# KiCad board Lime_RFE.kicad_pcb (continued)
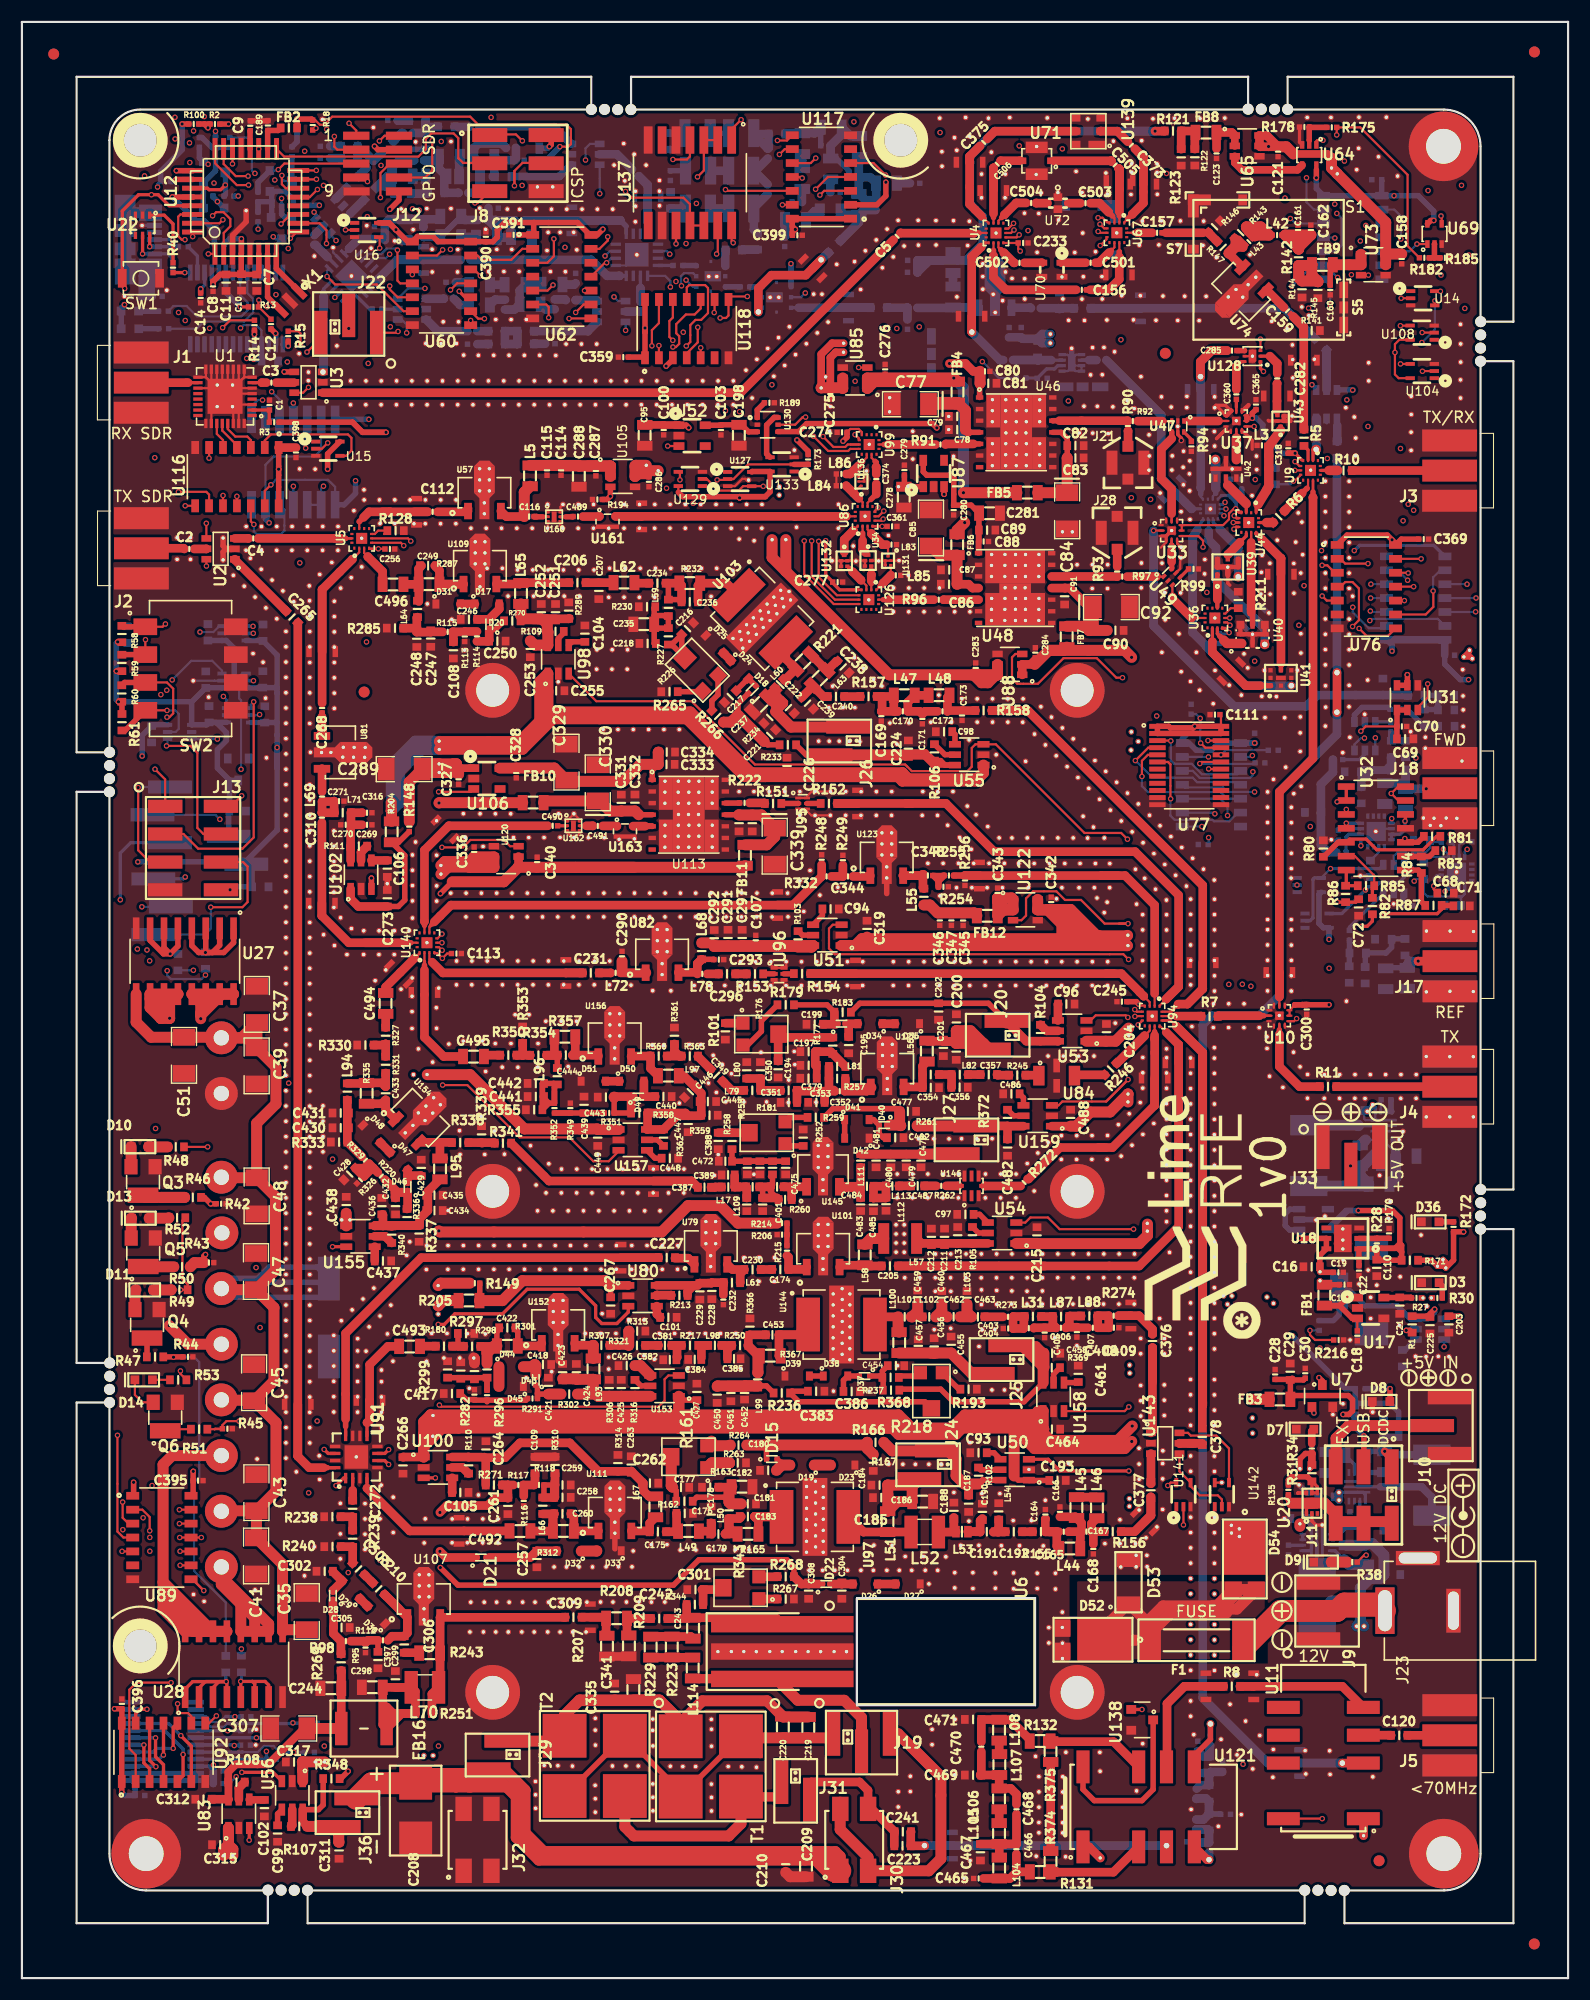
[diagram p0: board, top side]
## Placement (name value [footprint] x y rotation side) (continued)
GND_VIA#706  VAL**  [GND_VIA]  92.8 123.89 0 top
GND_VIA#707  VAL**  [GND_VIA]  92.8 124.9 0 top
GND_VIA#708  VAL**  [GND_VIA]  92.81 125.9 0 top
GND_VIA#709  VAL**  [GND_VIA]  89.71 125.9 0 top
GND_VIA#710  VAL**  [GND_VIA]  89.7 124.9 0 top
GND_VIA#711  VAL**  [GND_VIA]  89.7 123.89 0 top
GND_VIA#712  VAL**  [GND_VIA]  88.48 123.89 0 top
GND_VIA#713  VAL**  [GND_VIA]  88.48 124.9 0 top
GND_VIA#714  VAL**  [GND_VIA]  88.49 125.9 0 top
GND_VIA#715  VAL**  [GND_VIA]  58.69 105.21 0 top
GND_VIA#716  VAL**  [GND_VIA]  58.68 104.21 0 top
GND_VIA#717  VAL**  [GND_VIA]  58.68 103.2 0 top
GND_VIA#718  VAL**  [GND_VIA]  59.89 103.2 0 top
GND_VIA#719  VAL**  [GND_VIA]  59.89 104.21 0 top
GND_VIA#720  VAL**  [GND_VIA]  59.9 105.21 0 top
GND_VIA#721  VAL**  [GND_VIA]  63 105.21 0 top
GND_VIA#722  VAL**  [GND_VIA]  62.99 104.21 0 top
GND_VIA#723  VAL**  [GND_VIA]  62.99 103.2 0 top
GND_VIA#724  VAL**  [GND_VIA]  61.77 103.2 0 top
GND_VIA#725  VAL**  [GND_VIA]  61.77 104.21 0 top
GND_VIA#726  VAL**  [GND_VIA]  61.78 105.21 0 top
GND_VIA#727  VAL**  [GND_VIA]  60.87 105.21 0 top
GND_VIA#728  VAL**  [GND_VIA]  60.86 104.21 0 top
GND_VIA#729  VAL**  [GND_VIA]  60.86 103.2 0 top
GND_VIA#730  VAL**  [GND_VIA]  60.86 107.21 0 top
GND_VIA#731  VAL**  [GND_VIA]  60.86 108.22 0 top
GND_VIA#732  VAL**  [GND_VIA]  60.87 109.22 0 top
GND_VIA#733  VAL**  [GND_VIA]  61.78 109.22 0 top
GND_VIA#734  VAL**  [GND_VIA]  61.77 108.22 0 top
GND_VIA#735  VAL**  [GND_VIA]  61.77 107.21 0 top
GND_VIA#736  VAL**  [GND_VIA]  62.99 107.21 0 top
GND_VIA#737  VAL**  [GND_VIA]  62.99 108.22 0 top
GND_VIA#738  VAL**  [GND_VIA]  63 109.22 0 top
GND_VIA#739  VAL**  [GND_VIA]  59.9 109.22 0 top
GND_VIA#740  VAL**  [GND_VIA]  59.89 108.22 0 top
GND_VIA#741  VAL**  [GND_VIA]  59.89 107.21 0 top
GND_VIA#742  VAL**  [GND_VIA]  59.92 106.18 0 top
GND_VIA#743  VAL**  [GND_VIA]  60.83 106.18 0 top
GND_VIA#744  VAL**  [GND_VIA]  58.68 107.21 0 top
GND_VIA#745  VAL**  [GND_VIA]  58.68 108.22 0 top
GND_VIA#746  VAL**  [GND_VIA]  58.69 109.22 0 top
GND_VIA#747  VAL**  [GND_VIA]  61.74 106.18 0 top
GND_VIA#748  VAL**  [GND_VIA]  71.6 38.86 180 top
GND_VIA#749  VAL**  [GND_VIA]  71.6 39.86 180 top
GND_VIA#750  VAL**  [GND_VIA]  71.6 40.86 180 top
GND_VIA#751  VAL**  [GND_VIA]  71.6 43.86 180 top
GND_VIA#752  VAL**  [GND_VIA]  71.6 44.86 180 top
GND_VIA#753  VAL**  [GND_VIA]  71.6 41.86 180 top
GND_VIA#754  VAL**  [GND_VIA]  71.6 42.86 180 top
GND_VIA#755  VAL**  [GND_VIA]  72.43 42.35 180 top
GND_VIA#756  VAL**  [GND_VIA]  72.43 41.35 180 top
GND_VIA#757  VAL**  [GND_VIA]  72.43 44.35 180 top
GND_VIA#758  VAL**  [GND_VIA]  72.43 43.35 180 top
GND_VIA#759  VAL**  [GND_VIA]  72.42 40.35 180 top
GND_VIA#760  VAL**  [GND_VIA]  72.42 39.35 180 top
GND_VIA#761  VAL**  [GND_VIA]  73.12 38.86 180 top
GND_VIA#762  VAL**  [GND_VIA]  73.12 39.86 180 top
GND_VIA#763  VAL**  [GND_VIA]  73.12 40.86 180 top
GND_VIA#764  VAL**  [GND_VIA]  73.13 43.86 180 top
GND_VIA#765  VAL**  [GND_VIA]  73.13 44.86 180 top
GND_VIA#766  VAL**  [GND_VIA]  73.13 41.86 180 top
GND_VIA#767  VAL**  [GND_VIA]  73.13 42.86 180 top
GND_VIA#768  VAL**  [GND_VIA]  72.42 45.34 180 top
GND_VIA#769  VAL**  [GND_VIA]  74.84 62.91 180 top
GND_VIA#770  VAL**  [GND_VIA]  75.56 60.43 180 top
GND_VIA#771  VAL**  [GND_VIA]  75.56 59.43 180 top
GND_VIA#772  VAL**  [GND_VIA]  75.56 62.43 180 top
GND_VIA#773  VAL**  [GND_VIA]  75.56 61.43 180 top
GND_VIA#774  VAL**  [GND_VIA]  75.55 58.43 180 top
GND_VIA#775  VAL**  [GND_VIA]  75.55 57.43 180 top
GND_VIA#776  VAL**  [GND_VIA]  75.55 56.43 180 top
GND_VIA#777  VAL**  [GND_VIA]  74.85 56.92 180 top
GND_VIA#778  VAL**  [GND_VIA]  74.85 57.92 180 top
GND_VIA#779  VAL**  [GND_VIA]  74.86 60.92 180 top
GND_VIA#780  VAL**  [GND_VIA]  74.86 61.92 180 top
GND_VIA#781  VAL**  [GND_VIA]  74.86 58.92 180 top
GND_VIA#782  VAL**  [GND_VIA]  74.86 59.92 180 top
GND_VIA#783  VAL**  [GND_VIA]  74.03 60.43 180 top
GND_VIA#784  VAL**  [GND_VIA]  74.03 59.43 180 top
GND_VIA#785  VAL**  [GND_VIA]  74.03 62.43 180 top
GND_VIA#786  VAL**  [GND_VIA]  74.03 61.43 180 top
GND_VIA#787  VAL**  [GND_VIA]  74.03 58.43 180 top
GND_VIA#788  VAL**  [GND_VIA]  74.03 57.43 180 top
GND_VIA#789  VAL**  [GND_VIA]  74.03 56.43 180 top
GND_VIA#790  VAL**  [GND_VIA]  65.51 122.88 180 top
GND_VIA#791  VAL**  [GND_VIA]  64.89 122.25 180 top
GND_VIA#792  VAL**  [GND_VIA]  66.13 123.5 180 top
GND_VIA#793  VAL**  [GND_VIA]  67.37 124.76 180 top
GND_VIA#794  VAL**  [GND_VIA]  66.75 124.13 180 top
GND_VIA#795  VAL**  [GND_VIA]  69.24 126.64 180 top
GND_VIA#796  VAL**  [GND_VIA]  68.62 126.02 180 top
GND_VIA#797  VAL**  [GND_VIA]  68 125.39 180 top
GND_VIA#798  VAL**  [GND_VIA]  66.27 122.75 180 top
GND_VIA#799  VAL**  [GND_VIA]  65.65 122.13 180 top
GND_VIA#800  VAL**  [GND_VIA]  66.89 123.38 180 top
GND_VIA#801  VAL**  [GND_VIA]  68.13 124.64 180 top
GND_VIA#802  VAL**  [GND_VIA]  67.51 124.01 180 top
GND_VIA#803  VAL**  [GND_VIA]  70 126.52 180 top
GND_VIA#804  VAL**  [GND_VIA]  69.38 125.9 180 top
GND_VIA#805  VAL**  [GND_VIA]  68.76 125.27 180 top
GND_VIA#806  VAL**  [GND_VIA]  66.41 121.99 180 top
GND_VIA#807  VAL**  [GND_VIA]  65.79 121.36 180 top
GND_VIA#808  VAL**  [GND_VIA]  67.03 122.62 180 top
GND_VIA#809  VAL**  [GND_VIA]  68.27 123.88 180 top
GND_VIA#810  VAL**  [GND_VIA]  67.65 123.25 180 top
GND_VIA#811  VAL**  [GND_VIA]  70.14 125.76 180 top
GND_VIA#812  VAL**  [GND_VIA]  69.52 125.13 180 top
GND_VIA#813  VAL**  [GND_VIA]  68.9 124.5 180 top
GND_VIA#814  VAL**  [GND_VIA]  29.28 111.41 180 top
GND_VIA#815  VAL**  [GND_VIA]  29.33 112.31 180 top
GND_VIA#816  VAL**  [GND_VIA]  46.57 132.31 90 top
GND_VIA#817  VAL**  [GND_VIA]  52.15 132.31 90 top
GND_VIA#818  VAL**  [GND_VIA]  50.76 132.31 90 top
GND_VIA#819  VAL**  [GND_VIA]  52.17 134.48 90 top
GND_VIA#820  VAL**  [GND_VIA]  50.77 134.48 90 top
GND_VIA#821  VAL**  [GND_VIA]  49.37 134.48 90 top
GND_VIA#822  VAL**  [GND_VIA]  49.36 132.31 90 top
GND_VIA#823  VAL**  [GND_VIA]  53.55 132.31 90 top
GND_VIA#824  VAL**  [GND_VIA]  47.98 134.48 90 top
GND_VIA#825  VAL**  [GND_VIA]  47.96 132.31 90 top
GND_VIA#826  VAL**  [GND_VIA]  65.46 131.32 90 top
GND_VIA#827  VAL**  [GND_VIA]  66.81 131.17 90 top
GND_VIA#828  VAL**  [GND_VIA]  70.69 132.4 90 top
GND_VIA#829  VAL**  [GND_VIA]  70.88 134.49 90 top
GND_VIA#830  VAL**  [GND_VIA]  74.52 134.48 90 top
GND_VIA#831  VAL**  [GND_VIA]  74.51 132.31 90 top
GND_VIA#832  VAL**  [GND_VIA]  67.52 132.31 90 top
GND_VIA#833  VAL**  [GND_VIA]  67.53 134.48 90 top
GND_VIA#834  VAL**  [GND_VIA]  66.14 134.48 90 top
GND_VIA#835  VAL**  [GND_VIA]  66.12 132.31 90 top
GND_VIA#836  VAL**  [GND_VIA]  54.95 132.31 90 top
GND_VIA#837  VAL**  [GND_VIA]  54.96 134.48 90 top
GND_VIA#838  VAL**  [GND_VIA]  56.36 134.48 90 top
GND_VIA#839  VAL**  [GND_VIA]  57.75 134.48 90 top
GND_VIA#840  VAL**  [GND_VIA]  56.34 132.31 90 top
GND_VIA#841  VAL**  [GND_VIA]  57.74 132.31 90 top
GND_VIA#842  VAL**  [GND_VIA]  63.33 132.31 90 top
GND_VIA#843  VAL**  [GND_VIA]  61.93 132.31 90 top
GND_VIA#844  VAL**  [GND_VIA]  63.34 134.48 90 top
GND_VIA#845  VAL**  [GND_VIA]  61.95 134.48 90 top
GND_VIA#846  VAL**  [GND_VIA]  60.55 134.48 90 top
GND_VIA#847  VAL**  [GND_VIA]  60.54 132.31 90 top
GND_VIA#848  VAL**  [GND_VIA]  64.74 134.48 90 top
GND_VIA#849  VAL**  [GND_VIA]  64.73 132.31 90 top
GND_VIA#850  VAL**  [GND_VIA]  59.15 134.48 90 top
GND_VIA#851  VAL**  [GND_VIA]  59.14 132.31 90 top
GND_VIA#852  VAL**  [GND_VIA]  42.37 132.31 90 top
GND_VIA#853  VAL**  [GND_VIA]  43.77 132.31 90 top
GND_VIA#854  VAL**  [GND_VIA]  45.16 132.31 90 top
GND_VIA#855  VAL**  [GND_VIA]  40.97 132.31 90 top
GND_VIA#856  VAL**  [GND_VIA]  38.2 132.72 90 top
GND_VIA#857  VAL**  [GND_VIA]  38.22 134.89 90 top
GND_VIA#858  VAL**  [GND_VIA]  34.03 132.73 180 top
GND_VIA#859  VAL**  [GND_VIA]  34.03 134.89 90 top
GND_VIA#860  VAL**  [GND_VIA]  35.42 134.89 90 top
GND_VIA#861  VAL**  [GND_VIA]  36.82 134.89 90 top
GND_VIA#862  VAL**  [GND_VIA]  32.68 132.74 90 top
GND_VIA#863  VAL**  [GND_VIA]  36.81 132.72 90 top
GND_VIA#864  VAL**  [GND_VIA]  39.6 132.72 90 top
GND_VIA#865  VAL**  [GND_VIA]  39.61 134.89 90 top
GND_VIA#866  VAL**  [GND_VIA]  35.78 132.72 180 top
GND_VIA#867  VAL**  [GND_VIA]  30.3 133.91 90 top
GND_VIA#868  VAL**  [GND_VIA]  32.63 134.89 90 top
GND_VIA#869  VAL**  [GND_VIA]  31.23 134.89 90 top
GND_VIA#870  VAL**  [GND_VIA]  31.21 135.81 90 top
GND_VIA#871  VAL**  [GND_VIA]  20.45 130.29 90 top
GND_VIA#872  VAL**  [GND_VIA]  20.46 132.47 90 top
GND_VIA#873  VAL**  [GND_VIA]  26.04 130.29 90 top
GND_VIA#874  VAL**  [GND_VIA]  26.05 132.47 90 top
GND_VIA#875  VAL**  [GND_VIA]  21.85 130.29 90 top
GND_VIA#876  VAL**  [GND_VIA]  21.86 132.47 90 top
GND_VIA#877  VAL**  [GND_VIA]  23.26 132.47 90 top
GND_VIA#878  VAL**  [GND_VIA]  24.66 132.47 90 top
GND_VIA#879  VAL**  [GND_VIA]  23.25 130.29 90 top
GND_VIA#880  VAL**  [GND_VIA]  24.64 130.29 90 top
GND_VIA#881  VAL**  [GND_VIA]  27.44 130.29 90 top
GND_VIA#882  VAL**  [GND_VIA]  27.45 132.47 90 top
GND_VIA#883  VAL**  [GND_VIA]  28.85 132.47 90 top
GND_VIA#884  VAL**  [GND_VIA]  28.83 130.29 90 top
GND_VIA#885  VAL**  [GND_VIA]  30.63 54.44 180 top
GND_VIA#886  VAL**  [GND_VIA]  30.63 53.04 180 top
GND_VIA#887  VAL**  [GND_VIA]  28.46 54.45 180 top
GND_VIA#888  VAL**  [GND_VIA]  28.46 53.06 180 top
GND_VIA#889  VAL**  [GND_VIA]  28.46 51.66 180 top
GND_VIA#890  VAL**  [GND_VIA]  30.63 51.65 180 top
GND_VIA#891  VAL**  [GND_VIA]  28.46 55.85 180 top
GND_VIA#892  VAL**  [GND_VIA]  30.63 55.84 180 top
GND_VIA#893  VAL**  [GND_VIA]  30.63 57.23 180 top
GND_VIA#894  VAL**  [GND_VIA]  28.46 57.25 180 top
GND_VIA#895  VAL**  [GND_VIA]  28.46 58.64 180 top
GND_VIA#896  VAL**  [GND_VIA]  32.81 55.49 180 top
GND_VIA#897  VAL**  [GND_VIA]  32.81 54.43 180 top
GND_VIA#898  VAL**  [GND_VIA]  32.81 50.24 180 top
GND_VIA#899  VAL**  [GND_VIA]  32.81 51.63 180 top
GND_VIA#900  VAL**  [GND_VIA]  32.81 53.03 180 top
GND_VIA#901  VAL**  [GND_VIA]  30.64 58.35 180 top
GND_VIA#902  VAL**  [GND_VIA]  28.47 99.1 180 top
GND_VIA#903  VAL**  [GND_VIA]  28.47 97.7 180 top
GND_VIA#904  VAL**  [GND_VIA]  28.47 100.5 180 top
GND_VIA#905  VAL**  [GND_VIA]  28.47 101.9 180 top
GND_VIA#906  VAL**  [GND_VIA]  28.47 103.29 180 top
GND_VIA#907  VAL**  [GND_VIA]  28.47 104.69 180 top
GND_VIA#908  VAL**  [GND_VIA]  32.58 93.4 90 top
GND_VIA#909  VAL**  [GND_VIA]  31.18 93.4 90 top
GND_VIA#910  VAL**  [GND_VIA]  32.59 95.58 90 top
GND_VIA#911  VAL**  [GND_VIA]  31.19 95.58 90 top
GND_VIA#912  VAL**  [GND_VIA]  33.99 95.58 90 top
GND_VIA#913  VAL**  [GND_VIA]  33.98 93.4 90 top
GND_VIA#914  VAL**  [GND_VIA]  29.08 96.77 90 top
GND_VIA#915  VAL**  [GND_VIA]  27.53 95.22 90 top
GND_VIA#916  VAL**  [GND_VIA]  29.66 93.4 90 top
GND_VIA#917  VAL**  [GND_VIA]  30.07 95.78 90 top
GND_VIA#918  VAL**  [GND_VIA]  28.52 94.23 90 top
GND_VIA#919  VAL**  [GND_VIA]  35.33 95.59 90 top
GND_VIA#920  VAL**  [GND_VIA]  36.96 94.49 90 top
GND_VIA#921  VAL**  [GND_VIA]  42.23 75.16 90 top
GND_VIA#922  VAL**  [GND_VIA]  47.83 71.65 90 top
GND_VIA#923  VAL**  [GND_VIA]  45.41 73.81 90 top
GND_VIA#924  VAL**  [GND_VIA]  48.08 74.31 90 top
GND_VIA#925  VAL**  [GND_VIA]  46.41 75.96 90 top
GND_VIA#926  VAL**  [GND_VIA]  46.92 72.37 90 top
GND_VIA#927  VAL**  [GND_VIA]  39.98 75.16 90 top
GND_VIA#928  VAL**  [GND_VIA]  49.24 73.82 90 top
GND_VIA#929  VAL**  [GND_VIA]  49.23 71.65 90 top
GND_VIA#930  VAL**  [GND_VIA]  44.03 75.19 90 top
GND_VIA#931  VAL**  [GND_VIA]  50.62 71.65 90 top
GND_VIA#932  VAL**  [GND_VIA]  50.64 73.82 90 top
GND_VIA#933  VAL**  [GND_VIA]  52.03 73.82 90 top
GND_VIA#934  VAL**  [GND_VIA]  53.43 73.82 90 top
GND_VIA#935  VAL**  [GND_VIA]  52.02 71.65 90 top
GND_VIA#936  VAL**  [GND_VIA]  53.42 71.65 90 top
GND_VIA#937  VAL**  [GND_VIA]  59.01 71.65 90 top
GND_VIA#938  VAL**  [GND_VIA]  57.61 71.65 90 top
GND_VIA#939  VAL**  [GND_VIA]  59.02 73.82 90 top
GND_VIA#940  VAL**  [GND_VIA]  57.62 73.82 90 top
GND_VIA#941  VAL**  [GND_VIA]  56.22 73.82 90 top
GND_VIA#942  VAL**  [GND_VIA]  56.21 71.65 90 top
GND_VIA#943  VAL**  [GND_VIA]  60.41 73.82 90 top
GND_VIA#944  VAL**  [GND_VIA]  60.4 71.65 90 top
GND_VIA#945  VAL**  [GND_VIA]  54.83 73.82 90 top
GND_VIA#946  VAL**  [GND_VIA]  54.81 71.65 90 top
GND_VIA#947  VAL**  [GND_VIA]  43.11 77.31 90 top
GND_VIA#948  VAL**  [GND_VIA]  39.93 77.34 90 top
GND_VIA#949  VAL**  [GND_VIA]  63.75 58.82 90 top
GND_VIA#950  VAL**  [GND_VIA]  65.15 58.82 90 top
GND_VIA#951  VAL**  [GND_VIA]  62.35 58.82 90 top
GND_VIA#952  VAL**  [GND_VIA]  60.96 58.82 90 top
GND_VIA#953  VAL**  [GND_VIA]  59.56 58.82 90 top
GND_VIA#954  VAL**  [GND_VIA]  58.16 58.82 90 top
GND_VIA#955  VAL**  [GND_VIA]  51.41 58.82 90 top
GND_VIA#956  VAL**  [GND_VIA]  52.81 58.82 90 top
GND_VIA#957  VAL**  [GND_VIA]  54.21 58.82 90 top
GND_VIA#958  VAL**  [GND_VIA]  55.36 60.05 90 top
GND_VIA#959  VAL**  [GND_VIA]  56.76 60.05 90 top
GND_VIA#960  VAL**  [GND_VIA]  53.55 56.67 90 top
GND_VIA#961  VAL**  [GND_VIA]  53.55 55.57 90 top
GND_VIA#962  VAL**  [GND_VIA]  42.29 58.78 90 top
GND_VIA#963  VAL**  [GND_VIA]  40.66 58.81 90 top
GND_VIA#964  VAL**  [GND_VIA]  37.39 58.83 90 top
GND_VIA#965  VAL**  [GND_VIA]  38.79 58.83 90 top
GND_VIA#966  VAL**  [GND_VIA]  33.35 58.78 180 top
GND_VIA#967  VAL**  [GND_VIA]  31.4 57.21 180 top
GND_VIA#968  VAL**  [GND_VIA]  33.86 56.29 180 top
GND_VIA#969  VAL**  [GND_VIA]  36.93 56.29 180 top
GND_VIA#970  VAL**  [GND_VIA]  38.51 56.59 180 top
GND_VIA#971  VAL**  [GND_VIA]  39.96 56.59 180 top
GND_VIA#972  VAL**  [GND_VIA]  41.23 56.59 180 top
GND_VIA#973  VAL**  [GND_VIA]  101.05 78.88 180 top
GND_VIA#974  VAL**  [GND_VIA]  100.06 77.88 180 top
GND_VIA#975  VAL**  [GND_VIA]  99.07 76.89 180 top
GND_VIA#976  VAL**  [GND_VIA]  102.05 79.9 180 top
GND_VIA#977  VAL**  [GND_VIA]  97.64 74.71 90 top
GND_VIA#978  VAL**  [GND_VIA]  97.65 76.88 90 top
GND_VIA#979  VAL**  [GND_VIA]  99.04 74.71 90 top
GND_VIA#980  VAL**  [GND_VIA]  96.25 74.71 90 top
GND_VIA#981  VAL**  [GND_VIA]  94.85 74.71 90 top
GND_VIA#982  VAL**  [GND_VIA]  96.26 76.88 90 top
GND_VIA#983  VAL**  [GND_VIA]  94.86 76.88 90 top
GND_VIA#984  VAL**  [GND_VIA]  102.29 76.99 180 top
GND_VIA#985  VAL**  [GND_VIA]  101.3 76 180 top
GND_VIA#986  VAL**  [GND_VIA]  100.31 75.01 180 top
GND_VIA#987  VAL**  [GND_VIA]  93.66 76.26 180 top
GND_VIA#988  VAL**  [GND_VIA]  103.29 77.99 180 top
GND_VIA#989  VAL**  [GND_VIA]  87.93 73.37 90 top
GND_VIA#990  VAL**  [GND_VIA]  87.92 71.2 90 top
GND_VIA#991  VAL**  [GND_VIA]  90.72 73.37 90 top
GND_VIA#992  VAL**  [GND_VIA]  90.71 71.2 90 top
GND_VIA#993  VAL**  [GND_VIA]  89.33 73.37 90 top
GND_VIA#994  VAL**  [GND_VIA]  89.31 71.2 90 top
GND_VIA#995  VAL**  [GND_VIA]  79.88 73.37 90 top
GND_VIA#996  VAL**  [GND_VIA]  79.87 71.2 90 top
GND_VIA#997  VAL**  [GND_VIA]  85.45 71.2 90 top
GND_VIA#998  VAL**  [GND_VIA]  84.06 71.2 90 top
GND_VIA#999  VAL**  [GND_VIA]  85.47 73.37 90 top
GND_VIA#1000  VAL**  [GND_VIA]  84.07 73.37 90 top
GND_VIA#1001  VAL**  [GND_VIA]  82.67 73.37 90 top
GND_VIA#1002  VAL**  [GND_VIA]  82.66 71.2 90 top
GND_VIA#1003  VAL**  [GND_VIA]  81.28 73.37 90 top
GND_VIA#1004  VAL**  [GND_VIA]  81.26 71.2 90 top
GND_VIA#1005  VAL**  [GND_VIA]  31.31 43.3 180 top
GND_VIA#1006  VAL**  [GND_VIA]  31.31 39.11 180 top
GND_VIA#1007  VAL**  [GND_VIA]  31.31 40.51 180 top
GND_VIA#1008  VAL**  [GND_VIA]  31.31 41.9 180 top
GND_VIA#1009  VAL**  [GND_VIA]  26.68 42.11 180 top
GND_VIA#1010  VAL**  [GND_VIA]  29.06 40.53 180 top
GND_VIA#1011  VAL**  [GND_VIA]  26.68 39.36 180 top
GND_VIA#1012  VAL**  [GND_VIA]  29.06 43.33 180 top
GND_VIA#1013  VAL**  [GND_VIA]  29.06 38.26 180 top
GND_VIA#1014  VAL**  [GND_VIA]  102.1 51.29 180 top
GND_VIA#1015  VAL**  [GND_VIA]  102.1 52.69 180 top
GND_VIA#1016  VAL**  [GND_VIA]  102.1 54.08 180 top
GND_VIA#1017  VAL**  [GND_VIA]  104.25 54.13 180 top
GND_VIA#1018  VAL**  [GND_VIA]  104.25 52.74 180 top
GND_VIA#1019  VAL**  [GND_VIA]  104.25 51.34 180 top
GND_VIA#1020  VAL**  [GND_VIA]  104.1 42.76 180 top
GND_VIA#1021  VAL**  [GND_VIA]  104.1 45.56 180 top
GND_VIA#1022  VAL**  [GND_VIA]  104.1 46.96 180 top
GND_VIA#1023  VAL**  [GND_VIA]  101.95 46.91 180 top
GND_VIA#1024  VAL**  [GND_VIA]  101.95 45.51 180 top
GND_VIA#1025  VAL**  [GND_VIA]  101.95 42.71 180 top
GND_VIA#1026  VAL**  [GND_VIA]  103.58 41.17 180 top
GND_VIA#1027  VAL**  [GND_VIA]  102.59 40.18 180 top
GND_VIA#1028  VAL**  [GND_VIA]  98.83 39.65 90 top
GND_VIA#1029  VAL**  [GND_VIA]  101.62 39.65 90 top
GND_VIA#1030  VAL**  [GND_VIA]  100.23 39.65 90 top
GND_VIA#1031  VAL**  [GND_VIA]  100.2 41.82 90 top
GND_VIA#1032  VAL**  [GND_VIA]  25.04 46.2 180 top
GND_VIA#1033  VAL**  [GND_VIA]  27.17 45.5 180 top
GND_VIA#1034  VAL**  [GND_VIA]  27.13 47.66 180 top
GND_VIA#1035  VAL**  [GND_VIA]  32.68 60.42 180 top
GND_VIA#1036  VAL**  [GND_VIA]  31.13 61.97 180 top
GND_VIA#1037  VAL**  [GND_VIA]  32.12 62.96 180 top
GND_VIA#1038  VAL**  [GND_VIA]  33.67 61.41 180 top
GND_VIA#1039  VAL**  [GND_VIA]  36.91 64.66 180 top
GND_VIA#1040  VAL**  [GND_VIA]  29.15 59.99 180 top
GND_VIA#1041  VAL**  [GND_VIA]  30.14 60.98 180 top
GND_VIA#1042  VAL**  [GND_VIA]  31.69 59.43 180 top
GND_VIA#1043  VAL**  [GND_VIA]  36.94 66.85 90 top
GND_VIA#1044  VAL**  [GND_VIA]  35.11 65.95 90 top
GND_VIA#1045  VAL**  [GND_VIA]  33.88 40.66 90 top
GND_VIA#1046  VAL**  [GND_VIA]  32.68 41.91 90 top
GND_VIA#1047  VAL**  [GND_VIA]  39.25 39.73 90 top
GND_VIA#1048  VAL**  [GND_VIA]  39.27 41.9 90 top
GND_VIA#1049  VAL**  [GND_VIA]  36.81 41.91 90 top
GND_VIA#1050  VAL**  [GND_VIA]  36.71 39.71 90 top
GND_VIA#1051  VAL**  [GND_VIA]  40.66 41.9 90 top
GND_VIA#1052  VAL**  [GND_VIA]  40.65 39.73 90 top
GND_VIA#1053  VAL**  [GND_VIA]  33.88 43.89 90 top
GND_VIA#1054  VAL**  [GND_VIA]  30.51 47.56 90 top
GND_VIA#1055  VAL**  [GND_VIA]  42.05 39.73 90 top
GND_VIA#1056  VAL**  [GND_VIA]  42.06 41.9 90 top
GND_VIA#1057  VAL**  [GND_VIA]  43.46 41.9 90 top
GND_VIA#1058  VAL**  [GND_VIA]  43.45 39.73 90 top
GND_VIA#1059  VAL**  [GND_VIA]  32.78 44.99 90 top
GND_VIA#1060  VAL**  [GND_VIA]  67.26 63.58 90 top
GND_VIA#1061  VAL**  [GND_VIA]  67.28 65.75 90 top
GND_VIA#1062  VAL**  [GND_VIA]  68.66 63.58 90 top
GND_VIA#1063  VAL**  [GND_VIA]  68.67 65.75 90 top
GND_VIA#1064  VAL**  [GND_VIA]  65.88 65.74 90 top
GND_VIA#1065  VAL**  [GND_VIA]  38.24 100.74 90 top
GND_VIA#1066  VAL**  [GND_VIA]  38.23 101.53 90 top
GND_VIA#1067  VAL**  [GND_VIA]  37.85 102.47 180 top
GND_VIA#1068  VAL**  [GND_VIA]  37.85 99.67 180 top
GND_VIA#1069  VAL**  [GND_VIA]  37.85 98.28 180 top
GND_VIA#1070  VAL**  [GND_VIA]  35.64 98.3 180 top
GND_VIA#1071  VAL**  [GND_VIA]  35.64 99.7 180 top
GND_VIA#1072  VAL**  [GND_VIA]  35.64 101.1 180 top
GND_VIA#1073  VAL**  [GND_VIA]  35.64 102.49 180 top
GND_VIA#1074  VAL**  [GND_VIA]  38.07 110.8 90 top
GND_VIA#1075  VAL**  [GND_VIA]  38.08 110.01 90 top
GND_VIA#1076  VAL**  [GND_VIA]  33.34 99.87 90 top
GND_VIA#1077  VAL**  [GND_VIA]  39.14 99.01 90 top
GND_VIA#1078  VAL**  [GND_VIA]  40.53 99.01 90 top
GND_VIA#1079  VAL**  [GND_VIA]  40.52 96.84 90 top
GND_VIA#1080  VAL**  [GND_VIA]  57.29 96.84 90 top
GND_VIA#1081  VAL**  [GND_VIA]  57.3 99.01 90 top
GND_VIA#1082  VAL**  [GND_VIA]  62.87 96.84 90 top
GND_VIA#1083  VAL**  [GND_VIA]  62.89 99.01 90 top
GND_VIA#1084  VAL**  [GND_VIA]  58.68 96.84 90 top
GND_VIA#1085  VAL**  [GND_VIA]  58.69 99.01 90 top
GND_VIA#1086  VAL**  [GND_VIA]  60.09 99.01 90 top
GND_VIA#1087  VAL**  [GND_VIA]  61.49 99.01 90 top
GND_VIA#1088  VAL**  [GND_VIA]  60.08 96.84 90 top
GND_VIA#1089  VAL**  [GND_VIA]  61.48 96.84 90 top
GND_VIA#1090  VAL**  [GND_VIA]  55.89 96.84 90 top
GND_VIA#1091  VAL**  [GND_VIA]  54.49 96.84 90 top
GND_VIA#1092  VAL**  [GND_VIA]  55.9 99.01 90 top
GND_VIA#1093  VAL**  [GND_VIA]  54.5 99.01 90 top
GND_VIA#1094  VAL**  [GND_VIA]  53.11 99.01 90 top
GND_VIA#1095  VAL**  [GND_VIA]  53.09 96.84 90 top
GND_VIA#1096  VAL**  [GND_VIA]  41.92 96.84 90 top
GND_VIA#1097  VAL**  [GND_VIA]  41.93 99.01 90 top
GND_VIA#1098  VAL**  [GND_VIA]  43.33 99.01 90 top
GND_VIA#1099  VAL**  [GND_VIA]  44.72 99.01 90 top
GND_VIA#1100  VAL**  [GND_VIA]  43.32 96.84 90 top
GND_VIA#1101  VAL**  [GND_VIA]  44.71 96.84 90 top
GND_VIA#1102  VAL**  [GND_VIA]  50.3 96.84 90 top
GND_VIA#1103  VAL**  [GND_VIA]  48.9 96.84 90 top
GND_VIA#1104  VAL**  [GND_VIA]  50.31 99.01 90 top
GND_VIA#1105  VAL**  [GND_VIA]  48.92 99.01 90 top
GND_VIA#1106  VAL**  [GND_VIA]  47.52 99.01 90 top
GND_VIA#1107  VAL**  [GND_VIA]  47.51 96.84 90 top
GND_VIA#1108  VAL**  [GND_VIA]  51.71 99.01 90 top
GND_VIA#1109  VAL**  [GND_VIA]  51.7 96.84 90 top
GND_VIA#1110  VAL**  [GND_VIA]  46.12 99.01 90 top
GND_VIA#1111  VAL**  [GND_VIA]  46.11 96.84 90 top
GND_VIA#1112  VAL**  [GND_VIA]  64.27 96.84 90 top
GND_VIA#1113  VAL**  [GND_VIA]  64.28 99.01 90 top
GND_VIA#1114  VAL**  [GND_VIA]  65.68 99.01 90 top
GND_VIA#1115  VAL**  [GND_VIA]  67.08 99.01 90 top
GND_VIA#1116  VAL**  [GND_VIA]  65.67 96.84 90 top
GND_VIA#1117  VAL**  [GND_VIA]  67.06 96.84 90 top
GND_VIA#1118  VAL**  [GND_VIA]  69.87 99.01 90 top
GND_VIA#1119  VAL**  [GND_VIA]  71.01 100.13 90 top
GND_VIA#1120  VAL**  [GND_VIA]  68.47 99.01 90 top
GND_VIA#1121  VAL**  [GND_VIA]  68.46 96.84 90 top
GND_VIA#1122  VAL**  [GND_VIA]  72.82 98.82 90 top
GND_VIA#1123  VAL**  [GND_VIA]  69.91 96.84 90 top
GND_VIA#1124  VAL**  [GND_VIA]  71.92 101.07 90 top
GND_VIA#1125  VAL**  [GND_VIA]  71.35 97.33 90 top
GND_VIA#1126  VAL**  [GND_VIA]  74.46 99.54 90 top
GND_VIA#1127  VAL**  [GND_VIA]  35.92 103.67 180 top
GND_VIA#1128  VAL**  [GND_VIA]  37.84 105.61 180 top
GND_VIA#1129  VAL**  [GND_VIA]  40.44 104.08 180 top
GND_VIA#1130  VAL**  [GND_VIA]  47.65 104.08 90 top
GND_VIA#1131  VAL**  [GND_VIA]  44.86 104.08 90 top
GND_VIA#1132  VAL**  [GND_VIA]  46.25 104.08 90 top
GND_VIA#1133  VAL**  [GND_VIA]  48.97 106.25 90 top
GND_VIA#1134  VAL**  [GND_VIA]  44.61 106.25 90 top
GND_VIA#1135  VAL**  [GND_VIA]  43.21 106.25 90 top
GND_VIA#1136  VAL**  [GND_VIA]  50.37 106.25 90 top
GND_VIA#1137  VAL**  [GND_VIA]  41.81 106.25 90 top
GND_VIA#1138  VAL**  [GND_VIA]  40.28 106.26 90 top
GND_VIA#1139  VAL**  [GND_VIA]  35.64 96.73 180 top
GND_VIA#1140  VAL**  [GND_VIA]  33.21 92 90 top
GND_VIA#1141  VAL**  [GND_VIA]  32.24 91.02 90 top
GND_VIA#1142  VAL**  [GND_VIA]  35.61 91.26 90 top
GND_VIA#1143  VAL**  [GND_VIA]  34.6 90.24 90 top
GND_VIA#1144  VAL**  [GND_VIA]  35.6 89.6 180 top
GND_VIA#1145  VAL**  [GND_VIA]  35.6 88.2 180 top
GND_VIA#1146  VAL**  [GND_VIA]  37.82 88.55 180 top
GND_VIA#1147  VAL**  [GND_VIA]  36.18 84.79 180 top
GND_VIA#1148  VAL**  [GND_VIA]  35.6 86.66 180 top
GND_VIA#1149  VAL**  [GND_VIA]  37.84 86.67 180 top
GND_VIA#1150  VAL**  [GND_VIA]  38.96 85.24 180 top
GND_VIA#1151  VAL**  [GND_VIA]  37.48 83.58 180 top
GND_VIA#1152  VAL**  [GND_VIA]  22.27 125.04 90 top
GND_VIA#1153  VAL**  [GND_VIA]  23.82 126.59 90 top
GND_VIA#1154  VAL**  [GND_VIA]  24.81 125.6 90 top
GND_VIA#1155  VAL**  [GND_VIA]  23.26 124.05 90 top
GND_VIA#1156  VAL**  [GND_VIA]  21.28 126.03 90 top
GND_VIA#1157  VAL**  [GND_VIA]  22.83 127.58 90 top
GND_VIA#1158  VAL**  [GND_VIA]  21.84 128.57 90 top
GND_VIA#1159  VAL**  [GND_VIA]  20.29 127.02 90 top
GND_VIA#1160  VAL**  [GND_VIA]  19.3 128.01 90 top
GND_VIA#1161  VAL**  [GND_VIA]  20.84 129.56 90 top
GND_VIA#1162  VAL**  [GND_VIA]  99.77 87.15 90 top
GND_VIA#1163  VAL**  [GND_VIA]  97.83 84.14 90 top
GND_VIA#1164  VAL**  [GND_VIA]  96.44 84.14 90 top
GND_VIA#1165  VAL**  [GND_VIA]  93.64 84.14 90 top
GND_VIA#1166  VAL**  [GND_VIA]  95.04 84.14 90 top
GND_VIA#1167  VAL**  [GND_VIA]  19.23 145.38 90 top
GND_VIA#1168  VAL**  [GND_VIA]  17.83 145.38 90 top
GND_VIA#1169  VAL**  [GND_VIA]  17.82 143.41 90 top
GND_VIA#1170  VAL**  [GND_VIA]  19.22 143.41 90 top
GND_VIA#1171  VAL**  [GND_VIA]  86.53 10.72 0 top
GND_VIA#1172  VAL**  [GND_VIA]  85.16 23.62 0 top
GND_VIA#1173  VAL**  [GND_VIA]  30 145.75 90 top
GND_VIA#1174  VAL**  [GND_VIA]  29.99 143.58 90 top
GND_VIA#1175  VAL**  [GND_VIA]  35.57 143.58 90 top
GND_VIA#1176  VAL**  [GND_VIA]  34.18 143.58 90 top
GND_VIA#1177  VAL**  [GND_VIA]  35.59 145.75 90 top
GND_VIA#1178  VAL**  [GND_VIA]  34.19 145.75 90 top
GND_VIA#1179  VAL**  [GND_VIA]  32.79 145.75 90 top
GND_VIA#1180  VAL**  [GND_VIA]  32.78 143.58 90 top
GND_VIA#1181  VAL**  [GND_VIA]  36.98 145.75 90 top
GND_VIA#1182  VAL**  [GND_VIA]  36.97 143.58 90 top
GND_VIA#1183  VAL**  [GND_VIA]  31.4 145.75 90 top
GND_VIA#1184  VAL**  [GND_VIA]  31.38 143.58 90 top
GND_VIA#1185  VAL**  [GND_VIA]  53.74 143.58 90 top
GND_VIA#1186  VAL**  [GND_VIA]  53.75 145.75 90 top
GND_VIA#1187  VAL**  [GND_VIA]  59.32 143.58 90 top
GND_VIA#1188  VAL**  [GND_VIA]  59.34 145.75 90 top
GND_VIA#1189  VAL**  [GND_VIA]  55.13 143.58 90 top
GND_VIA#1190  VAL**  [GND_VIA]  55.14 145.75 90 top
GND_VIA#1191  VAL**  [GND_VIA]  56.54 145.75 90 top
GND_VIA#1192  VAL**  [GND_VIA]  57.94 145.75 90 top
GND_VIA#1193  VAL**  [GND_VIA]  56.53 143.58 90 top
GND_VIA#1194  VAL**  [GND_VIA]  57.93 143.58 90 top
GND_VIA#1195  VAL**  [GND_VIA]  52.34 143.58 90 top
